# Altium PCB SIM_Controller_V2.0.PcbDoc (continued)
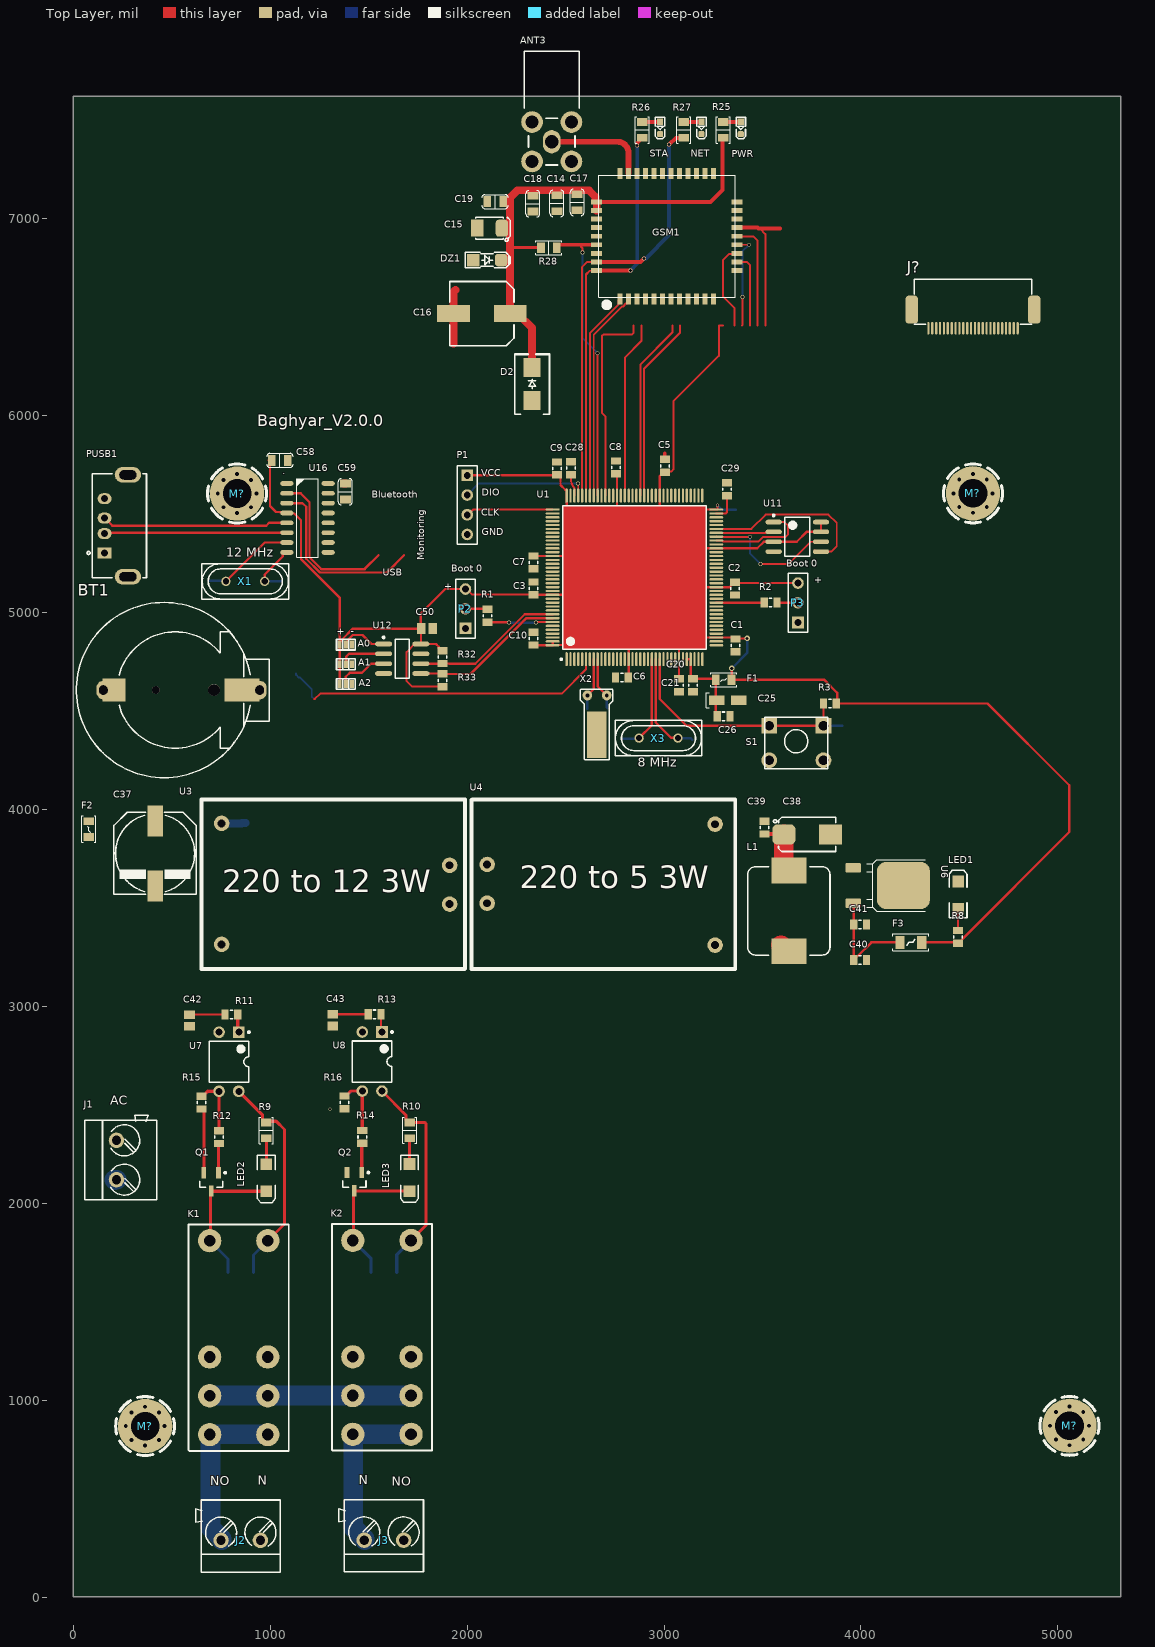
[diagram p0: Top Layer view]
## Footprints (in the part's own frame and the unit in brackets; to place one, negate y for a bottom-side part, rotate by r counter-clockwise, add the part's x,y. Pads: shape width x height; smd on the part's side, far side on the other; paste and mask are expansions set on the pad) (continued)
  oval 0.3x1.8 smd: 37(-8.75,-10.55) 38(-8.25,-10.55) 39(-7.75,-10.55) 40(-7.25,-10.55) 41(-6.75,-10.55) 42(-6.25,-10.55) 43(-5.75,-10.55) 44(-5.25,-10.55) 45(-4.75,-10.55) 46(-4.25,-10.55) 47(-3.75,-10.55) 48(-3.25,-10.55) 49(-2.75,-10.55) 50(-2.25,-10.55) 51(-1.75,-10.55) 52(-1.25,-10.55) 53(-0.75,-10.55) 54(-0.25,-10.55) 55(0.25,-10.55) 56(0.75,-10.55) 57(1.25,-10.55) 58(1.75,-10.55) 59(2.25,-10.55) 60(2.75,-10.55) 61(3.25,-10.55) 62(3.75,-10.55) 63(4.25,-10.55) 64(4.75,-10.55) 65(5.25,-10.55) 66(5.75,-10.55) 67(6.25,-10.55) 68(6.75,-10.55) 69(7.25,-10.55) 70(7.75,-10.55) 71(8.25,-10.55) 72(8.75,-10.55) 109(8.75,10.55) 110(8.25,10.55) 111(7.75,10.55) 112(7.25,10.55) 113(6.75,10.55) 114(6.25,10.55) 115(5.75,10.55) 116(5.25,10.55) 117(4.75,10.55) 118(4.25,10.55) 119(3.75,10.55) 120(3.25,10.55) 121(2.75,10.55) 122(2.25,10.55) 123(1.75,10.55) 124(1.25,10.55) 125(0.75,10.55) 126(0.25,10.55) 127(-0.25,10.55) 128(-0.75,10.55) 129(-1.25,10.55) 130(-1.75,10.55) 131(-2.25,10.55) 132(-2.75,10.55) 133(-3.25,10.55) 134(-3.75,10.55) 135(-4.25,10.55) 136(-4.75,10.55) 137(-5.25,10.55) 138(-5.75,10.55) 139(-6.25,10.55) 140(-6.75,10.55) 141(-7.25,10.55) 142(-7.75,10.55) 143(-8.25,10.55) 144(-8.75,10.55)
  silkscreen extent -10.67,-9.25 9.25,9.57, body extent -11,-11 11,11, height 1.63
M_Sim800C [mm]
  rect 0.635x1.45 smd: 1(5.945,7.842) 2(4.845,7.842) 3(3.745,7.842) 4(2.645,7.842) 5(1.545,7.842) 6(0.444,7.842) 7(-0.655,7.842) 8(-1.755,7.842) 9(-2.855,7.842) 10(-3.955,7.842) 11(-5.055,7.842) 12(-6.155,7.842) 22(-6.155,-8.358) 23(-5.055,-8.358) 24(-3.955,-8.358) 25(-2.855,-8.358) 26(-1.755,-8.358) 27(-0.655,-8.358) 28(0.445,-8.358) 29(1.545,-8.358) 30(2.645,-8.358) 31(3.745,-8.358) 32(4.845,-8.358) 33(5.945,-8.358)
  rect 1.45x0.635 smd: 13(-9.155,4.142) 14(-9.155,3.042) 15(-9.155,1.942) 16(-9.155,0.842) 17(-9.155,-0.258) 18(-9.155,-1.358) 19(-9.155,-2.458) 20(-9.155,-3.558) 21(-9.155,-4.658) 34(8.945,-4.658) 35(8.945,-3.558) 36(8.945,-2.458) 37(8.945,-1.358) 38(8.945,-0.258) 39(8.945,0.842) 40(8.945,1.942) 41(8.945,3.042) 42(8.945,4.142)
  silkscreen extent -8.91,-8.11 8.69,8.87, body extent -8.96,-8.11 8.64,7.59, height 2.57
Omron_8pin [mm]
  round 3 hole 1.5: 1(-13.5,-3.5) 2(1.5,-3.5) 3(6.5,-3.5) 4(11.5,-3.5) 5(11.5,4) 6(6.5,4) 7(1.5,4) 8(-13.5,4)
  silkscreen extent -15.6,-6.2 13.6,6.7
P_TBB_2 [mm] "Terminal Block Blue"
  round 2 / inner round 2 / far side rect 2.4x3 hole 1.2: 1(-2.54,0)
  round 2 / inner round 2 / far side oval 2.4x3 hole 1.2: 2(2.54,0)
  silkscreen extent -5.1,-5.2 5.8,4.1, body extent -4.96,-5.08 5.78,3.99, height 12.52
"RES 0805" [mm] "Chip Resistor, 2-Leads, Body 2.00x1.25mm, IPC Medium Density"
  rect 1x1.35 smd: 1(-1.016,0) 2(1.016,0)
  silkscreen extent -1.7,-0.9 1.7,0.9, body extent -0.95,-0.62 1.05,0.63, height 0.6
"RES 0805 (2012X06L)" [mm] "Chip Resistor, 2-Leads, Body 2.0x1.3mm, IPC High Density _ (0.100 W)"
  rect 0.95x1.3 smd: 1(0,0) 2(1.65,0)
  silkscreen extent 0.67,-0.55 0.97,0.55, body extent -0.19,-0.63 1.84,0.64, height 0.6
SCMH_M3P5#1 [mm] "SCREW mouting, M3.5, 3.5mm diameter and 7.0mm PanHead"
  round 7 / inner round 4 / far side round 5 hole 3.7 mask+0.1: 1(0,0)
  Top Layer pour cut-out: 0,4 -1.531,3.696 -2.828,2.829 -3.695,1.531 -4,0 -4,0 -3.695,-1.53 -2.828,-2.828 -1.531,-3.695 0,-4 0,-4 2,-3.464 3.464,-2 4,0 4,0 3.696,1.531 2.828,2.828 1.531,3.696 0,4
  Bottom Layer pour cut-out: 0,4 -1.531,3.696 -2.828,2.829 -3.695,1.531 -4,0 -4,0 -3.695,-1.53 -2.828,-2.828 -1.531,-3.695 0,-4 0,-4 2,-3.464 3.464,-2 4,0 4,0 3.696,1.531 2.828,2.828 1.531,3.696 0,4
  silkscreen extent -3.8,-3.8 3.8,3.8
SCMH_M3P5#2 [mm] "SCREW mouting, M3.5, 3.5mm diameter and 7.0mm PanHead"
  round 7 / inner round 4 / far side round 7 hole 3.7 mask+0.1: 1(0,0)
  Top Layer pour cut-out: 0,4 -1.531,3.696 -2.828,2.829 -3.695,1.531 -4,0 -4,0 -3.695,-1.53 -2.828,-2.828 -1.531,-3.695 0,-4 0,-4 2,-3.464 3.464,-2 4,0 4,0 3.696,1.531 2.828,2.828 1.531,3.696 0,4
  Bottom Layer pour cut-out: 0,4 -1.531,3.696 -2.828,2.829 -3.695,1.531 -4,0 -4,0 -3.695,-1.53 -2.828,-2.828 -1.531,-3.695 0,-4 0,-4 2,-3.464 3.464,-2 4,0 4,0 3.696,1.531 2.828,2.828 1.531,3.696 0,4
  silkscreen extent -3.8,-3.8 3.8,3.8
SMA_RA [mm] "Connector; RF Coaxial, MCX, Thru-Hole; 5 Position; Right-Angle"
  oval 3x2.3 hole 1.7: 1(0,0)
  round 2.8 hole 1.7: 2(-2.54,-2.54) 3(2.54,-2.54) 4(2.54,2.54) 5(-2.54,2.54)
  silkscreen extent -11.68,-3.56 3,3.56, body extent -11.6,-3.5 3.5,3.5, height 9.86
SMD_CAP_0805 [mm]
  rect 0.95x1.3 smd: 1(0,0) 2(1.65,0)
  silkscreen extent 0.67,-0.55 0.97,0.55, body extent -0.19,-0.63 1.84,0.64, height 0.65
SO8_N [mm] "SOIC, 8-Leads, Body 4.9x3.9mm, Pitch 1.27mm, IPC Medium Density"
  oval 2.2x0.6 smd: 1(-2.4,1.905) 2(-2.4,0.635) 3(-2.4,-0.635) 4(-2.4,-1.905) 5(2.4,-1.905) 6(2.4,-0.635) 7(2.4,0.635) 8(2.4,1.905)
  silkscreen extent -2.52,-2.5 0.9,2.88, body extent -2,-2.5 2,2.5, height 1.75
SOD80 [mm] "SOD-80 MINI-MELF 3.6X1.6mm, LL-34, LL4148"
  rect 1.6x1.6 smd: 1(-1.8,0)
  rrect50% 1.6x1.6 smd: 2(1.8,0)
  Top Layer pour cut-out: -1.016,1.016 1.016,1.016 1.016,-1.016 -1.016,-1.016
  silkscreen extent -2.8,-1 3,1, body extent -1.85,-0.8 1.85,0.8, height 2
SOIC_8pin [mm]
  oval 2.1x0.6 smd: 1(-3.05,1.905) 2(-3.05,0.635) 3(-3.05,-0.635) 4(-3.05,-1.905) 5(3.05,-1.905) 6(3.05,-0.635) 7(3.05,0.635) 8(3.05,1.905)
  silkscreen extent -3.17,-2.5 1.6,2.88, body extent -3,-2.5 3,2.5, height 2.65
"SOLDER 3Pin SELECTOR" [mm]
  rect 0.5x1 smd: 1(0,0) 2(0.8,0) 3(1.6,0)
  silkscreen extent -0.4,-0.7 2,0.7
SOP16 [mil]
  oval 66.93x24 smd: 1(-105,175) 2(-105,125) 3(-105,75) 4(-105,25) 5(-105,-25) 6(-105,-75) 7(-105,-125) 8(-105,-175) 9(105,-175) 10(105,-125) 11(105,-75) 12(105,-25) 13(105,25) 14(105,75) 15(105,125) 16(105,175)
  silkscreen extent -55,-200 55,200, body extent -118,-197 118,197, height 69
SOT23_BEC_M [mm] "SOT23, 3-Leads, Body 2.9x1.3mm, Pitch 0.95mm, Lead Span 2.4mm, IPC Low Density"
  rect 1.45x0.6 smd: 1(-1.175,0.95) 2(-1.175,-0.95) 3(1.175,0)
  silkscreen extent -1.3,-1.5 0.7,1.93, body extent -1.23,-1.45 1.07,1.45, height 1
"Switch - Push to On" [mil]
  rect 80x80 hole 50: 1(-137.5,87.5) 1(137.5,87.5)
  round 80 hole 50: 2(-137.5,-87.5) 2(137.5,-87.5)
  silkscreen extent -160,-130 160,130, body extent -155,-121 157,123, height 205
TO252 [mil]
  rrect40% 50x80 smd: 1(-88.75,-102.5) 3(91.25,-102.5)
  rrect40% 240x270 smd: 4(1.25,152.5)
  Top Layer pour cut-out: -132.5,12.5 137.5,12.5 137.5,-147.5 133.75,-151.25 -132.5,-151.25
  silkscreen extent -129,-33 131,262, body extent -127,-119 130,272, height 91
USB_A_REC_ST [mm] "CONN, USB A, Receptacle, STRAIGHT, THD"
  rect 1.4x1.8 hole 0.9: 1(3.5,0)
  oval 1.4x1.8 hole 0.9: 2(1,0) 3(-1,0) 4(-3.5,0)
  oval 2x3.4 hole 1.2 slot 2.2 at 90 deg: SH1(-6.57,3) SH2(6.57,3)
  silkscreen extent -6.7,-2.27 6.7,5.4, body extent -7.99,-2.37 7.99,5.27, height 14
"XTAL THD HC49" [mm] "Crystal PTH HC49S"
  round 1.2 / inner oval 1.2x2 / far side oval 1.2x2 hole 0.8: 1(-2.5,0)
  round 1.2 / inner round 1.2 / far side oval 1.2x2 hole 0.8: 2(2.5,0)
  silkscreen extent -5.59,-2.29 5.59,2.29, body extent -5.67,-2.32 5.67,2.33, height 3.6
"XTAL THD RTC 6MM" [mm]
  oval 1.2x1.3 hole 0.5: 1(1.3,5.1) 2(-1.2,5.1)
  rect 2.5x6 smd: 3(0,0)
  Multi-Layer pour cut-out: -2.032,5.969 1.905,5.969 2.032,5.842 2.032,4.191 -2.032,4.191
  silkscreen extent -2.1,-3.2 2.1,5.9, body extent -1.4,-3.09 1.38,5.29, height 2.05

## Part data
A0 A1 A2: library part "Solder 3Pin Selector", =http://www.chila.ir
ANT3: library part "SMA RA", "RF Coaxial PCB Connector, MCX; Thru-Hole, Right-Angle Mount Socket, Blunt Post Terminal, 50 Ohm Impedance"
BT1: library part "Battery CR1220_CR2032", "BATTERY HOLDER, CR1220/CR2032", .=http://www.chila.ir, MANF_P#=-
C1 C2 C3 C4 C5 C6 C7 C8 C9 C10 C20 C21 C22 C23 C24 C26 C27 C28 C29 C30 C32 C36 C39 C40 C41 C42 C43 C44 C45 C50: library part Cap-Bipolar, "Bipolar Capacitor", Voltage=100V, Adding Date=1387/12/20, Designer="Saeid Jorablo", Organazation=ControTec
C12 C14 C17 C18 C19 C57 C58 C59: library part "Cap SMD 0805", "SMT Capacitor"
C15: library part "Pol Cap SMD TAN 3528 SIZE B", "SMT TAN Polarised Capacitor"
C16: library part "Pol Cap SMD AL D4 H4", "SMT Polarised Capacitor"
C25: library part Cap-Polar, "Polar Capacitor", Voltage=16V, Adding Date=1387/12/20, Designer="Saeid Jorablo", Organazation=ControTec
C37: library part tantalum_capacitor
C38: library part "Pol Cap SMD TAN 7343 SIZE D", "SMT TAN Polarised Capacitor"
D1 D3: library part "Diode 1N4148", "High Conductance Fast Diode", Code_JEDEC=DO-204-AH, ComponentLink1Description="Manufacturer Link", ComponentLink1URL=http://www.fairchildsemi.com/, ComponentLink2Description=Datasheet, ComponentLink2URL=http://www.fairchildsemi.com/ds/1N%2F1N4148.pdf, DatasheetVersion=1997, LatestRevisionDate=17-Jul-2002, LatestRevisionNote="Re-released for DXP Platform.", PackageDescription="Diode, Axial; Body 3.8 x 1.9 mm (LxDia. max), Lead Dia. 0.53 mm (max)", PackageReference=DO-35, Published=8-Jun-2000, Publisher="Altium Limited"
D2: "Signal Diode", Parameter 1=1N4148
DZ1: "0.5W Zener"
J1 J2 J3: library part "TB2 BLUE", "CONN, TERMINAL BLOCK, 5.08mm pitch", =http://www.chila.ir
J?: library part FPC50_24, "CONN, FPC, 0.50mm pitch, RightAngle, Bot. Contact", =http://www.chila.ir, DESC=FH12F-24S-0.5SH(55), MANF="MOLEX, Hirose, FCI", MANF_P#="52437-2433, FH12-24S-0.5SH(55), SFV24R-1ST"
L1: "SMT Inductor"
LED1: library part LED, "LED", Power=Red, Adding Date=1387/12/22, Designer="Saeid Jorablo", Organazation=ControTec, Size="SMD 1206"
LED2 LED3: library part LED, "LED", Power=relaye1, Adding Date=1387/12/22, Designer="Saeid Jorablo", Organazation=ControTec, Size="SMD 1206"
M? M? M? M?: library part SCMH_M3P5, "SCREW mouting, M3.5, 3.5mm diameter and 7.0mm PanHead", =http://www.chila.ir, ASSEMBLY=DNP
NET PWR STA: library part LED, "LED", Adding Date=1387/12/22, Designer="Saeid Jorablo", Organazation=ControTec
P1: "Header, 4-Pin", LatestRevisionDate=17-Jul-2002, LatestRevisionNote="Re-released for DXP Platform.", Publisher="Altium Limited"
P2 P3: "Header, 3-Pin", LatestRevisionDate=17-Jul-2002, LatestRevisionNote="Re-released for DXP Platform.", Publisher="Altium Limited"
PUSB1: library part USB_A_REC_ST, "CONN, USB, A, RECEPTACLE, STRAIGHT, THD", =http://www.chila.ir
Q1 Q2: library part NPN, "NPN Bipolar Transistor", LatestRevisionDate=29-May-2009, LatestRevisionNote="IPC-7351 Footprint Added.", PackageDescription="3-Pin SOT-23 Package 0.95 mm Pitch, 2.4 mm Lead Span", PackageReference=SOT-23B, PackageVersion=Aug-1999, Published=8-Jun-2000, Publisher="Altium Limited"
R1 R2 R3: library part Resistor, "Resistor"
R8 R11 R12 R13 R14 R32 R33: library part Resistor, "Resistor", Power="1/8 W", Tolerance=5%
R9 R10 R25 R26 R27 R28: library part "Res SMD 0805", "SMD Resistor"
R15 R16: library part Resistor, "Resistor", Tolerance=5%
S1: "Push Button Switch"
U1: "ARM Cortex-M4 32-bit MCU+FPU, 225 DMIPS, 1024 kB Flash, 256 kB Internal RAM, 114 I/Os, 144-pin LQFP, -40 to 85 degC, Tray", I/Os (High Current)=114, Manufacturer=STMicroelectronics, Operating Frequency(F) (Processor speed) (MHz)=180, Supply Voltage(Vcc) max (V)=3.6, Supply Voltage(Vcc) min (V)=1.8, ComponentLink1Description="Manufacturer URL", ComponentLink1URL=http://www.st.com/web/en/home.html, ComponentLink2Description=Datasheet, ComponentLink2URL=http://www.st.com/st-web-ui/static/active/en/resource/technical/document/data_brief/DM00053488.pdf, ComponentLink3Description="Package Specification", ComponentLink3URL=http://www.st.com/st-web-ui/static/active/en/resource/technical/document/datasheet/DM00037051.pdf, Core="ARM Cortex-M4", D/A Converter=2x12-bit, DatasheetVersion="Rev. 2", FLASH Size (Prog) (kB)=1024, Internal RAM Size (kB)=256, Mounting Technology="Surface Mount", PackageDescription="144-Pin Low Profile Quad Flat Package, 20 x 20 mm Body, 0.5 mm Pitch", PackageReference=LQFP144, PackageVersion="Rev. 4, 06/2013", Packing=Tray, PartNumber=STM32F429ZGT6
U3 U4: library part H-Link, "Isolated 3W Power Module"
U6: library part "LF33 (SMD)", "500mA, Very Low Drop (0.45V) Voltage Regulator, 3.3V, 3-Pin DPAK, Tape and Reel", PartNumber=LF33CDT-TR, ComponentLink1Description="Manufacturer URL", ComponentLink1URL=http://www.st.com, ComponentLink2Description=Datasheet, ComponentLink2URL=http://www.st.com/internet/com/TECHNICAL_RESOURCES/TECHNICAL_LITERATURE/DATASHEET/CD00000546.pdf, DatasheetVersion=Nov-2010, PackageDescription="3-Pin Transistor Outline Package 2.28 mm Pitch, 9.7 mm Lead Span (DPAK)", PackageReference=TO-252, PackageVersion=2011
U7 U8: "4-Pin Phototransistor Optocoupler", DatasheetVersion=Nov-2003, LatestRevisionDate=04-Mar-2005, LatestRevisionNote="Sch pins 3 & 4 Swapped.", PackageReference=DIP-4, Published=24-Mar-1999, Publisher="Altium Limited"
U11: library part "W25Q64 (SMD SOIC W)", "FLASH - NOR Memory IC 64Mb (8M x 8) SPI - Quad I/O 133MHz  8-SOIC", PartNumber="W25Q64JVSSIM TR"
U12: "2Kbit (256 x 8), 2-wire Bus Automotive Serial EEPROM with full memory Write Protect, 2.5V, 8-Pin TSSOP, Tape & Reel", Code_JEDEC=MO-153-AA, ComponentLink1Description="Manufacturer URL", ComponentLink1URL=http://www.atmel.com/, ComponentLink2Description=Datasheet, ComponentLink2URL=http://www.atmel.com/dyn/resources/prod_documents/doc8517.pdf, DatasheetVersion="8517C,  Jan-2009", PackageDescription="8-Lead, 4.4 mm Body, Plastic Thin Shrink Small Outline Package (TSSOP)", PackageReference=8A2, PackageVersion="revD, Dec-2009"
U16: library part "74HC595 SMD", PROD_ID=IC-07875
X1 X3: library part "Crystal THD HC49", "SMT Crystal"
  X1: Parameter 1=12MHz
  X3: Parameter 1=8MHz
X2: Parameter 1=32KHz

## Via types
v1: diameter 31.5, hole 19.68, Top Layer to Bottom Layer, tented both sides, 32 vias
v2: diameter 20, hole 15, Top Layer to Bottom Layer, tented both sides, 13 vias
v3: diameter 15.75, hole 11.81, Top Layer to Bottom Layer, 2 vias
v4: diameter 27.56, hole 15.75, Top Layer to Bottom Layer, 2 vias

## Nets (pads, with @x,y where several pads share a name; then routed paths per layer and width w, separated by ;. In a path a pad name is that pad's centre, name@x,y a point inside that pad or via, vN(x,y) a via of type N, cw(c..) or ccw(c..) an arc to the next point about the centre after c; other vN are vias at no path point)
5v: C38.1 C39.2 C59.2 D2.1 L1.2 PUSB1.1 U6.1 U16.16 | length 244.9
  Top Layer w20: C39.2 C38.1@3582.32,3875.04
  Top Layer w40: C59.2@1374.09,5655 1374.76,5654.34 C59.2
  Top Layer w100: L1.2@3607.94,3708.94 3607.94,3872.06 C38.1
12v: D1.2 D3.2 F2.2 K1.8 K2.8 R9.2 R10.2 U7.4 U8.4 | length 2224.2
  Top Layer w15.75: U7.4 962.3,2447.7 962.3,2421.91 974.11,2410.1 R9.2 987.9,2417 1031,2417 1073,2375 1073,1895.02 K1.8 ; U8.4 1689.3,2448.7 R10.2@1689.3,2422.91 ; R10.2 1784.9,2411.1 1792,2404 1792,1888.02 K2.8
  Bottom Layer w15.75: D1.2 915.96,1737.98 K1.8 ; D3.2 1642.96,1738.98 K2.8
BOOT0: R1.2 U1.138 | length 335.2
  Top Layer w11.81: R1.2 2209.96,4951.04 v2(2213,4948) ; v2(2351,4949) 2353.22,4949 2355.84,4951.62 U1.138
  Bottom Layer w11.81: v2(2213,4948) 2348,4948 2350,4950 v2(2351,4949)
BOOT1: R2.2 U1.48 | length 243.7
  Top Layer w11.81: U1.48 R2.2 R2.2
D+: PUSB1.3 U16.5 | length 947.5
  Top Layer w11.81: PUSB1.3 199.37,5440 980,5440 995,5455 U16.5
D-: PUSB1.2 U16.6 | length 926.8
  Top Layer w11.81: PUSB1.2 164.37,5405 U16.6
GND: A0.1 A1.1 A2.1 ANT3.2 ANT3.3 ANT3.4 ANT3.5 BT1.2 C1.1 C2.1 C3.1 C4.1 C5.1 C6.1 C7.1 C8.1 C9.1 C10.1 C12.1 C14.1 C15.2 C16.2 C17.1 C18.1 C19.1 C20.1 C21.1 C22.1 C23.1 C24.1 C25.2 C26.1 C27.1 C28.1 C29.1 C30.2 C32.1 C38.2 C39.1 C40.2 C41.2 C42.1 C43.1 C50.1 C57.1 C58.1 C59.1 DZ1.1 GSM1.8 GSM1.13 GSM1.19 GSM1.21 GSM1.27 GSM1.30 GSM1.31 GSM1.33 GSM1.36 GSM1.37 J?.1 J?.3 J?.5 J?.7 J?.9 J?.12 J?.13 J?.15 J?.17 J?.19 J?.21 J?.23 J?.24 LED1.2 NET.2 P1.4 P2.1 P3.1 PUSB1.4 PUSB1.SH1 PUSB1.SH2 PWR.2 S1.2 STA.2 U1.16 U1.31 U1.38 U1.51 U1.61 U1.83 U1.94 U1.107 U1.120 U1.130 U4.3 U6.4 U7.2 U8.2 U11.4 U12.4 U16.1 | length 309.6
  Top Layer w15.75: 3003,5810 3004,5809 C5.1
  Top Layer w39.37: 1931,6365 1931,6627 1941,6637
GSM_ANT: ANT3.1 GSM1.32 | length 526.5
  Top Layer w30: ANT3.1 2764,7390 cw(c2764,7334.73) 2819.27,7334.73 GSM1.32
I2C1_SCL: R32.1 U1.136 U12.6 | length 774
  Top Layer w11.81: U12.6 1875,4740 R32.1 1907.5,4741 1908.58,4739.92 2042.08,4739.92 2293.15,4990.99 U1.136
I2C1_SDA: R33.1 U1.137 U12.5 | length 787.3
  Top Layer w11.81: U12.5 1874,4690 R33.1 2018,4688 2301.31,4971.31 U1.137
L: J1.1 J2.1 J3.1 U3.2 U4.1 | length 13.9
  Bottom Layer w100: J1.1@210,2120 J1.1@213.7,2120 ; J1.1@210.94,2117.24 J1.1@213.7,2120 ; J1.1 J1.1@213.7,2120
NET: GSM1.41 R27.2 U1.104 | length 2217.7
  Top Layer w10: U1.104 2584.25,6754.25 2610.24,6780.24 GSM1.41
  Top Layer w20: GSM1.41 2881.46,6780.24 v2(2899.18,6797.97) ; v2(3026,7376) 3060,7410 R27.2
  Bottom Layer w20: v2(2899.18,6797.97) 2907.97,6797.97 3026,6916 v2(3026,7376)
NetA0_2: A0.2 U12.1 | length 239.2
  Top Layer w11.81: A0.2 1384.5,4846.84 1395.25,4857.59 1395.25,4861.2 1420.05,4886 1469,4886 1515,4840 U12.1
NetA1_2: A1.2 U12.2 | length 235.3
  Top Layer w11.81: A1.2 1386,4738.5 1386,4775 1401,4790 U12.2
NetA2_2: A2.2 U12.3 | length 256.1
  Top Layer w11.81: A2.2 1384.5,4673.5 1405,4694 1467,4694 1513,4740 U12.3
NetBT1_1: BT1.1 C23.2 U1.6 | length 1665.4
  Top Layer w10: 1223.17,4561 1227.82,4561 1254.82,4588 2481,4588 2603.94,4710.94 U1.6
  Bottom Layer w10: C23.2 1131.96,4683.11 1145.66,4669.41 1152.55,4669.41 1211.52,4610.44 1211.52,4572.65 1223.17,4561
NetC12_2: C12.2 U16.8 X1.1 | length 288.1
  Top Layer w11.81: X1.1 972.43,5192.43 1065.07,5285.07 1065.07,5299.37 1070.7,5305 U16.8
  Bottom Layer w11.81: X1.1 1056.66,5158 C12.2
NetC22_2: C22.2 U1.23 X3.2 | length 509.4
  Top Layer w11.81: X3.2 2938.58,4427.01 U1.23
  Bottom Layer w11.81: C22.2 2870.54,4358.96 X3.2
NetC24_2: C24.2 U1.24 X3.1 | length 542
  Top Layer w11.81: U1.24 2958.27,4441.73 3036.79,4363.21 3069.22,4363.21 X3.1
  Bottom Layer w11.81: X3.1 3134.96,4362 C24.2
NetC27_2: C27.2 U1.8 X2.2 | length 264.3
  Top Layer w11.81: X2.2 2643.31,4611.34 U1.8
  Bottom Layer w11.81: X2.2 2610.76,4512.2 C27.2
NetC28_2: C28.2 U1.106 | length 112.8
  Top Layer w10: C28.2 2528,5673.94 2528,5673.87 ccw(c2585.64,5673.87) 2544.88,5633.12 2544.88,5629.17 U1.106
  Top Layer w11.81: C28.2@2544.88,5693.88 C28.2@2546,5695
NetC29_2: C29.2 U1.71 | length 140.8
  Top Layer w11.81: U1.71 3313.08,5502.8 3320,5509.72 C29.2
NetC30_1: C30.1 U1.9 X2.1 | length 269.4
  Top Layer w11.81: U1.9 2662.99,4624.98 X2.1
  Bottom Layer w11.81: X2.1 2709.18,4517.82 C30.1
NetC36_2: C36.2 C37.1 F2.1 U3.4 | length 123.5
  Bottom Layer w39.37: U3.4 855.15,3928.95 857.17,3930.98 875.02,3930.98 C36.2
NetC40_1: C40.1 C41.1 F3.1 U6.3 | length 559.1
  Top Layer w11.81: U6.3 3963,3521.25 C41.1 C40.1@3963,3241.89 ; C40.1 C40.1@3963,3241.89 ; F3.1 4053,3325 3982.69,3254.69 3975.8,3254.69 C40.1@3963,3241.89
NetC44_2: C44.2 R12.1 R15.2 U7.3 | length 403
  Top Layer w15.75: R15.2 657.89,2543.96 682.93,2569 U7.3 R12.1
  Bottom Layer w15.75: C44.2 656.91,2538.53 687.38,2569 U7.3
NetC45_2: C45.2 R14.1 R16.2 U8.3 | length 403
  Top Layer w15.75: R16.2 1384.89,2544.96 1409.93,2570 U8.3 R14.1
  Bottom Layer w15.75: C45.2 1383.91,2539.53 1414.38,2570 U8.3
NetC57_2: C57.2 U16.7 X1.2 | length 479.6
  Top Layer w11.81: X1.2 972.57,5355 U16.7
  Bottom Layer w11.81: C57.2 773.24,5160.34 X1.2
NetD1_1: D1.1 K1.1 LED2.2 Q1.3 | length 736.1
  Top Layer w15.75: K1.1 697.1,1814.39 697.1,2058.84 Q1.3 702.54,2061.2 LED2.2
  Bottom Layer w15.75: K1.1 786.04,1717.66 D1.1
NetD3_1: D3.1 K2.1 LED3.2 Q2.3 | length 734.8
  Top Layer w15.75: K2.1 1424.1,1815.39 1424.1,2059.84 1426.46,2062.2 LED3.2
  Bottom Layer w15.75: K2.1 1513.04,1718.66 D3.1
NetJ2_2: J2.2 K1.4 K1.5 | length 856.5
  Bottom Layer w100: J2.2@755,290 755,296.3 697.2,354.09 697.2,827.24 K1.5@992.48,827.24
NetJ3_2: J3.2 K2.4 K2.5 | length 856.5
  Bottom Layer w100: J3.2@1480,290 1480,296.3 1422.2,354.09 1422.2,827.24 K2.5@1717.48,827.24
NetL1_1: L1.1 U4.4 | length 18.5
  Top Layer w100: L1.1@3593.95,3311.05 L1.1@3607,3298
NetLED1_1: LED1.1 R8.1 | length 111.1
  Top Layer w11.81: R8.1 LED1.1
NetLED2_1: LED2.1 R9.1 | length 131.1
  Top Layer w15.75: LED2.1 R9.1
NetLED3_1: LED3.1 R10.1 | length 131.1
  Top Layer w15.75: LED3.1 R10.1
NetNET_1: NET.1 R27.1 | length 90.6
  Top Layer w20: R27.1 3188.5,7490 NET.1
NetP2_2: P2.2 R1.1 | length 112.2
  Top Layer w11.81: P2.2 2100,5019 R1.1
NetP3_2: P3.2 R2.1 | length 106.4
  Top Layer w11.81: R2.1 3679,5050 P3.2
NetPWR_1: PWR.1 R25.1 | length 90.6
  Top Layer w20: R25.1 3388.5,7490 PWR.1
NetQ1_1: Q1.1 R12.2 | length 149.9
  Top Layer w15.75: Q1.1 738.4,2301.44 R12.2
NetQ2_1: Q2.1 R14.2 | length 149.9
  Top Layer w15.75: Q2.1 1465.4,2302.44 R14.2
NetR11_2: R11.2 U7.1 | length 92.1
  Top Layer w15.75: R11.2 835.96,2874.04 U7.1
NetR13_2: R13.2 U8.1 | length 92.1
  Top Layer w11.81: R13.2 1562.96,2875.04 U8.1
NetR26_1: R26.1 STA.1 | length 90.6
  Top Layer w20: R26.1 2978.5,7490 STA.1
P: J1.2 K1.3 K1.6 K2.3 K2.6 U3.1 U4.2 | length 1008.2
  Bottom Layer w100: K1.3@708.74,1027.56 712.2,1024.09 K2.3 K2.6
PGND: C36.1 C37.2 C44.1 C45.1 Q1.2 Q2.2 R15.1 R16.1 U3.3 | length 346.7
  Top Layer w15.75: R15.1 652.77,2479 663.6,2468.17 Q1.2 ; Q2.2 Q2.2@1390.6,2172.99
  other v3: 1304,2478
PWRKEY: GSM1.39 R28.1 U1.100 | length 1524.7
  Top Layer w10: 2569.15,6866.85 2585.57,6850.43 v2(2585.57,6826.72) ; U1.100 2662.99,6315.69 v2(2663.31,6316)
  Top Layer w20: R28.1 2455,6857.16 2464.69,6866.85 2569.15,6866.85 GSM1.39
  Bottom Layer w10: v2(2585.57,6826.72) 2585.57,6393.74 v2(2663.31,6316)
relay1: C42.2 R11.1 U1.114 | length 183
  Top Layer w11.81: C42.2 770.53,2958.53 R11.1 R11.1@769,2961
relay2: C43.2 R13.1 U1.115 | length 180.2
  Top Layer w11.81: C43.2 1497.53,2959.53 R13.1
RESET: C32.2 R3.1 S1.1 U1.25 | length 1299.1
  Top Layer w11.81: U1.25 2977.95,4561.05 3114.5,4424.5 3534.5,4424.5 3809.5,4424.5 3810,4425 R3.1
  Bottom Layer w11.81: S1.1@3809.5,4424.5 3809.96,4424.96 C32.2
sim800_rx: GSM1.2 U1.101 | length 1079.2
  Top Layer w10: U1.101 2643.31,6410.31 2785.71,6552.71 2792.6,6552.71 2798.46,6558.57 2798.46,6561.86 2804.32,6567.71 2811.77,6567.71 2819.27,6575.21 GSM1.2
sim800_tx: GSM1.1 U1.102 | length 1061
  Top Layer w10: U1.102 2623.62,6418.62 2768.46,6563.46 2768.46,6583.76 GSM1.1
SIM_CLK: GSM1.16 J?.16 | length 485.1
  Top Layer w10: GSM1.16 3370.53,6866.92 3431.93,6866.92 v2(3432,6867) ; 3397.02,6458 3397.36,6458.35 3397.36,6601.36 v2(3398,6602)
  Bottom Layer w10: v2(3398,6602) 3398,6833 v2(3432,6867)
SIM_DATA: GSM1.15 J?.14 | length 441.1
  Top Layer w10: 3357.65,6458 3357.65,6546.35 3299,6605 3299,6789 3329,6819 3365.91,6819 GSM1.15
SIM_DET: GSM1.14 J?.18 | length 379
  Top Layer w10: GSM1.14 3371.69,6779 3422,6779 3436.39,6764.61 3436.39,6458
SIM_RST: GSM1.17 J?.20 | length 544
  Top Layer w10: GSM1.17 3370.61,6910 3453,6910 3475.76,6887.24 3475.76,6458
SIM_VDD: GSM1.18 J?.22 | length 723.5
  Top Layer w10: 3480,6948.66 3487.87,6948.66 3515.13,6921.41 3515.13,6458
  Top Layer w20: GSM1.18 3475.2,6953.46 3480,6948.66 ; 3487.87,6948.66 3590,6948.66
SPI4_MISO: U1.66 U11.2 | length 293.5
  Top Layer w10: U1.66 3514.72,5404.38 3516.74,5406.39 3554.31,5406.39 U11.2
SPI4_MOSI: U1.67 U11.5 | length 903.5
  Top Layer w10: U1.67 3443.06,5424.06 3516,5497 3835,5497 3877,5455 3877,5337 3849,5309 U11.5 3771.24,5309 U11.5@3764.94,5315.29
SPI4_NSS: U1.64 U11.1 | length 505.8
  Top Layer w10: U1.64 3295.37,5365.01 3299.38,5361 3481,5361 3504,5384 3618,5384 3630,5396 3630,5440 3611,5459 U11.1
SPI4_SCK: U1.65 U11.6 | length 686.5
  Top Layer w10: U1.65 3265.7,5384.35 3296.51,5384.35 3296.86,5384 3435.62,5384 v2(3436,5384.38) ; v2(3491,5245) 3631,5245 3745,5359 U11.6
  Bottom Layer w10: v2(3436,5384.38) 3436,5300 v2(3491,5245)
STA: GSM1.42 R26.2 U1.103 | length 2060
  Top Layer w10: U1.103 2603.94,6715.94 2623,6735 2655.92,6735 GSM1.42
  Top Layer w20: GSM1.42 2828.07,6736.93 v2(2829,6736) ; v2(2864,7371) 2864,7384 2873.43,7393.43 2873.43,7400.31 2883.11,7410 R26.2
  Bottom Layer w20: v2(2829,6736) 2864,6771 v2(2864,7371)
SW1: J?.2 U1.98 | length 1022.1
  Top Layer w10: U1.98 2702.36,5996.16 2686,6012.52 2686,6405.14 2691.86,6411 2836,6411 2845.83,6420.83 2845.83,6458
SW2: J?.4 U1.93 | length 899.6
  Top Layer w10: U1.93 2800.79,6293.79 2885.2,6378.2 2885.2,6458
SW_Light1: J?.6 U1.89 | length 932.2
  Top Layer w10: U1.89 2879.53,6258.35 3042.68,6421.5 3042.68,6458
SW_Light2: J?.8 U1.88 | length 940.4
  Top Layer w10: U1.88 2899.21,6238.66 3082.06,6421.5 3082.06,6458
SWCLK: P1.3 U1.109 | length 444.6
  Top Layer w10: P1.3 2003.69,5496 2030.18,5522.49 U1.109
SWDIO: P1.2 U1.105 | length 649.3
  Top Layer w10: v2(2564,5655) 2564.57,5654.43 U1.105
  Bottom Layer w10: P1.2 2060,5655 v2(2564,5655)
UART4_RX: U1.112 U16.2 | length 817.5
  Top Layer w11.81: U16.2 1155,5605 1200,5560 1200,5280 1260,5220 1480,5220 1550,5290
UART4_TX: U1.111 U16.3 | length 931.2
  Top Layer w11.81: U16.3 1165,5555 1183.19,5536.81 1183.19,5273.04 1253.04,5203.19 1593.19,5203.19 1680,5290
VBAT: C14.2 C15.1 C16.1 C17.2 C18.2 C19.2 D2.2 DZ1.2 GSM1.34 GSM1.35 R25.2 R28.2 | length 2555.7
  Top Layer w15.75: 2218.7,6855 2221.7,6852 R28.2
  Top Layer w20: GSM1.34 2659,7083.39 3235.39,7083.39 3296,7144 3296,7406 R25.2
  Top Layer w39.37: D2.2 2330,6445.07 2258.07,6517 C16.1 2218.7,6855 2218.7,7106.7 2256,7144 2618.74,7144 2651.81,7110.93 2651.81,7090.58 2659,7083.39 2659,7043.07 GSM1.35@2656.93,7041
VCC: A0.3 A1.3 A2.3 C1.2 C2.2 C3.2 C4.2 C5.2 C6.2 C7.2 C8.2 C9.2 C10.2 C20.2 C50.2 C58.2 F1.1 F3.2 J?.10 J?.11 P1.1 P2.3 P3.3 R3.2 R8.2 R32.2 R33.2 U1.17 U1.30 U1.39 U1.52 U1.62 U1.72 U1.84 U1.95 U1.108 U1.121 U1.131 U1.143 U1.144 U11.3 U11.7 U11.8 U12.8 U16.4 | length 11499.8
  Top Layer w10: U12.8@1766.47,4840.98 1734.98,4840.98 1693,4799.01 1693,4651 1720.96,4623.04 R33.2 ; P2.3 1997.05,5119 2026.01,5090.04 C3.2 ; 2978.82,5692.78 C5.2@3001.02,5714.98 ; C5.2 3008.73,5716.73 3038.73,5716.73 3048,5726 3048,6072 3278.91,6302.91 3278.91,6458 3298.59,6458 ; C2.2 3364.96,5149 P3.3
  Top Layer w11.81: C58.2@993.34,5772 1000,5778.66 1000,5540 1030,5510 1050.52,5510 1053.19,5507.33 1082.67,5507.33 U16.4 1087.33,5502.67 1122.33,5502.67 1157,5468 1157,5272 1353.01,5075.99 A0.3@1353.01,4846.84 ; A2.3 A1.3 A0.3 A0.3@1353.01,4846.84 ; R32.2 1869.11,4805.96 1856.31,4818.76 1856.31,4825.65 1841.96,4840 U12.8 1766.47,4840.98 C50.2 ; P2.3 1889,5119 1765.49,4995.49 1765.49,4924.89 1766.47,4923.91 C50.2 ; P1.1 2452.96,5696 C9.2 2461.55,5699.04 2474.34,5686.24 2474.34,5646.66 2498.12,5622.88 2505.51,5622.88 2505.51,5498.49 2506,5498 ; C10.2 2339.53,4833.51 U1.144 U1.144@2434.65,4835.04 ; C3.2 2553.96,5090.04 2564,5080 ; C7.2 2549.04,5286.96 2553,5283 ; U1.143 U1.144@2434.65,4835.04 ; 2557.96,4835.04 U1.144@2434.65,4835.04 ; C8.2@2758.96,5693 C8.2@2759.08,5692.88 ; C8.2@2759.08,5692.25 C8.2@2759.08,5692.88 ; 2766,5482 2761.42,5486.58 2761.42,5622.88 2761,5623.3 2761,5690.96 C8.2@2759.08,5692.88 ; C6.2 2820.47,4671.51 U1.17 2820.47,4855.47 2821,4856 ; 2978.82,5692.78 2978.82,5500.18 2988,5491 ; C20.2 3076,4858 ; 3132,5521 3133.49,5522.49 U1.72 3272,5522.49 v3(3272,5544.13) ; 3138,4874 3139.12,4872.88 U1.39 3294.88,4872.88 3295,4873 3355.96,4873 C1.2 3367.04,4868 v4(3422,4868) ; 3151,5133 3155.21,5128.79 U1.52 3333.4,5128.79 3340.31,5135.71 3340.31,5141.17 3353.11,5153.96 C2.2 ; 3176,5326 3178,5328 3184,5328 3186.36,5325.64 U1.62 3473.64,5325.64 3507,5359 U11.3 3674,5359 3724,5409 U11.7 U11.8 ; v4(3344,4716) 3344,4660 F1.1 3812,4659 3879,4592 3879,4542.04 R3.2 4642.96,4538 5058,4122.96 5058,3885.04 4512.69,3339.72 4512.69,3332.83 4499.89,3320.04 R8.2 4488.04,3325 F3.2 ; A0.3@1353.01,4846.84 1363.76,4857.59 1363.76,4861.2 1420.55,4918 C50.2
  Bottom Layer w11.81: v3(3272,5544.13) 3294.13,5522 C4.2 ; v4(3344,4716) 3422,4794 v4(3422,4868)
VDD_EXT: GSM1.40
VDDA: C21.2 C25.1 C26.2 F1.2 U1.32 U1.33 | length 430.1
  Top Layer w11.81: U1.32 U1.33 3135.43,4675.53 C21.2 3259.04,4662.96 F1.2 3263,4480.04 C26.2
pads on no net: BT1. GSM1.3 GSM1.4 GSM1.5 GSM1.6 GSM1.7 GSM1.9 GSM1.10 GSM1.11 GSM1.12 GSM1.20 GSM1.22 GSM1.23 GSM1.24 GSM1.25 GSM1.26 GSM1.28 GSM1.29 GSM1.38 J?. K1.2 K1.7 K2.2 K2.7 M?.1 U1.1 U1.2 U1.3 U1.4 U1.5 U1.7 U1.10 U1.11 U1.12 U1.13 U1.14 U1.15 U1.18 U1.19 U1.20 U1.21 U1.22 U1.26 U1.27 U1.28 U1.29 U1.34 U1.35 U1.36 U1.37 U1.40 U1.41 U1.42 U1.43 U1.44 U1.45 U1.46 U1.47 U1.49 U1.50 U1.53 U1.54 U1.55 U1.56 U1.57 U1.58 U1.59 U1.60 U1.63 U1.68 U1.69 U1.70 U1.73 U1.74 U1.75 U1.76 U1.77 U1.78 U1.79 U1.80 U1.81 U1.82 U1.85 U1.86 U1.87 U1.90 U1.91 U1.92 U1.96 U1.97 U1.99 U1.110 U1.113 U1.116 U1.117 U1.118 U1.119 U1.122 U1.123 U1.124 U1.125 U1.126 U1.127 U1.128 U1.129 U1.132 U1.133 U1.134 U1.135 U1.139 U1.140 U1.141 U1.142 U12.7 U16.9 U16.10 U16.11 U16.12 U16.13 U16.14 U16.15 X2.3
copper on no net:
  other v1: 365.72,770.51 5058.93,772.1 296.12,799.33 435.31,799.33 4989.33,800.93 5128.53,800.93 267.29,868.93 464.14,868.93 4960.5,870.52 5157.35,870.52 296.12,938.53 435.31,938.53 4989.33,940.12 5128.53,940.12 365.72,967.36 5058.93,968.95 832.57,5505.38 4568.79,5506.32 762.97,5534.21 902.16,5534.21 4499.19,5535.15 4638.38,5535.15 734.14,5603.81 930.99,5603.81 4470.36,5604.74 4667.21,5604.74 762.97,5673.4 902.16,5673.4 4499.19,5674.34 4638.38,5674.34 832.57,5702.23 4568.79,5703.17

## Other copper
Top Layer:
  rectangle net VCC: 2484,4811 3217,5545

## Silkscreen, mask and mechanical layers (free items; w line width, h text height)
Top Overlay:
  text "Baghyar_V2.0.0" at 935.04,5924.35 h100
  text "VCC" at 2071.06,5679.64 h60
  text "DIO" at 2075,5578.64 h60
  text "Bluetooth" at 1515,5570.64 h60
  text "CLK" at 2071.45,5478.66 h60
  text "GND" at 2075,5378.64 h60
  text "12 MHz" at 777,5268 h80
  text "Monitoring" at 1795.71,5263.99 h60 r90
  text "Boot 0" at 3620,5220.64 h60
  text "Boot 0" at 1919,5194.64 h60
  text "USB" at 1571,5172.64 h60
  text "+" at 3762.48,5135.48 h60
  text "+" at 1884.48,5102.48 h60
  text "-" at 1409,4877.48 h60
  text "+" at 1338,4874.8 h60
  text "8 MHz" at 2867,4200.86 h80
  text "AC" at 189,2484.86 h80
  text "N" at 1449,558 h80
  text "N" at 937,555 h80
  text "NO" at 695,552.86 h80
  text "NO" at 1618,551.86 h80

## Text inside footprints (layer, text, board x,y; h text height)
U3: Top Overlay "220 to 12 3W" at 756.81,3541.11 h196.85
U4: Top Overlay "220 to 5 3W" at 2266.9,3561.19 h196.85